# KiCad board mainboard.kicad_pcb (continued)
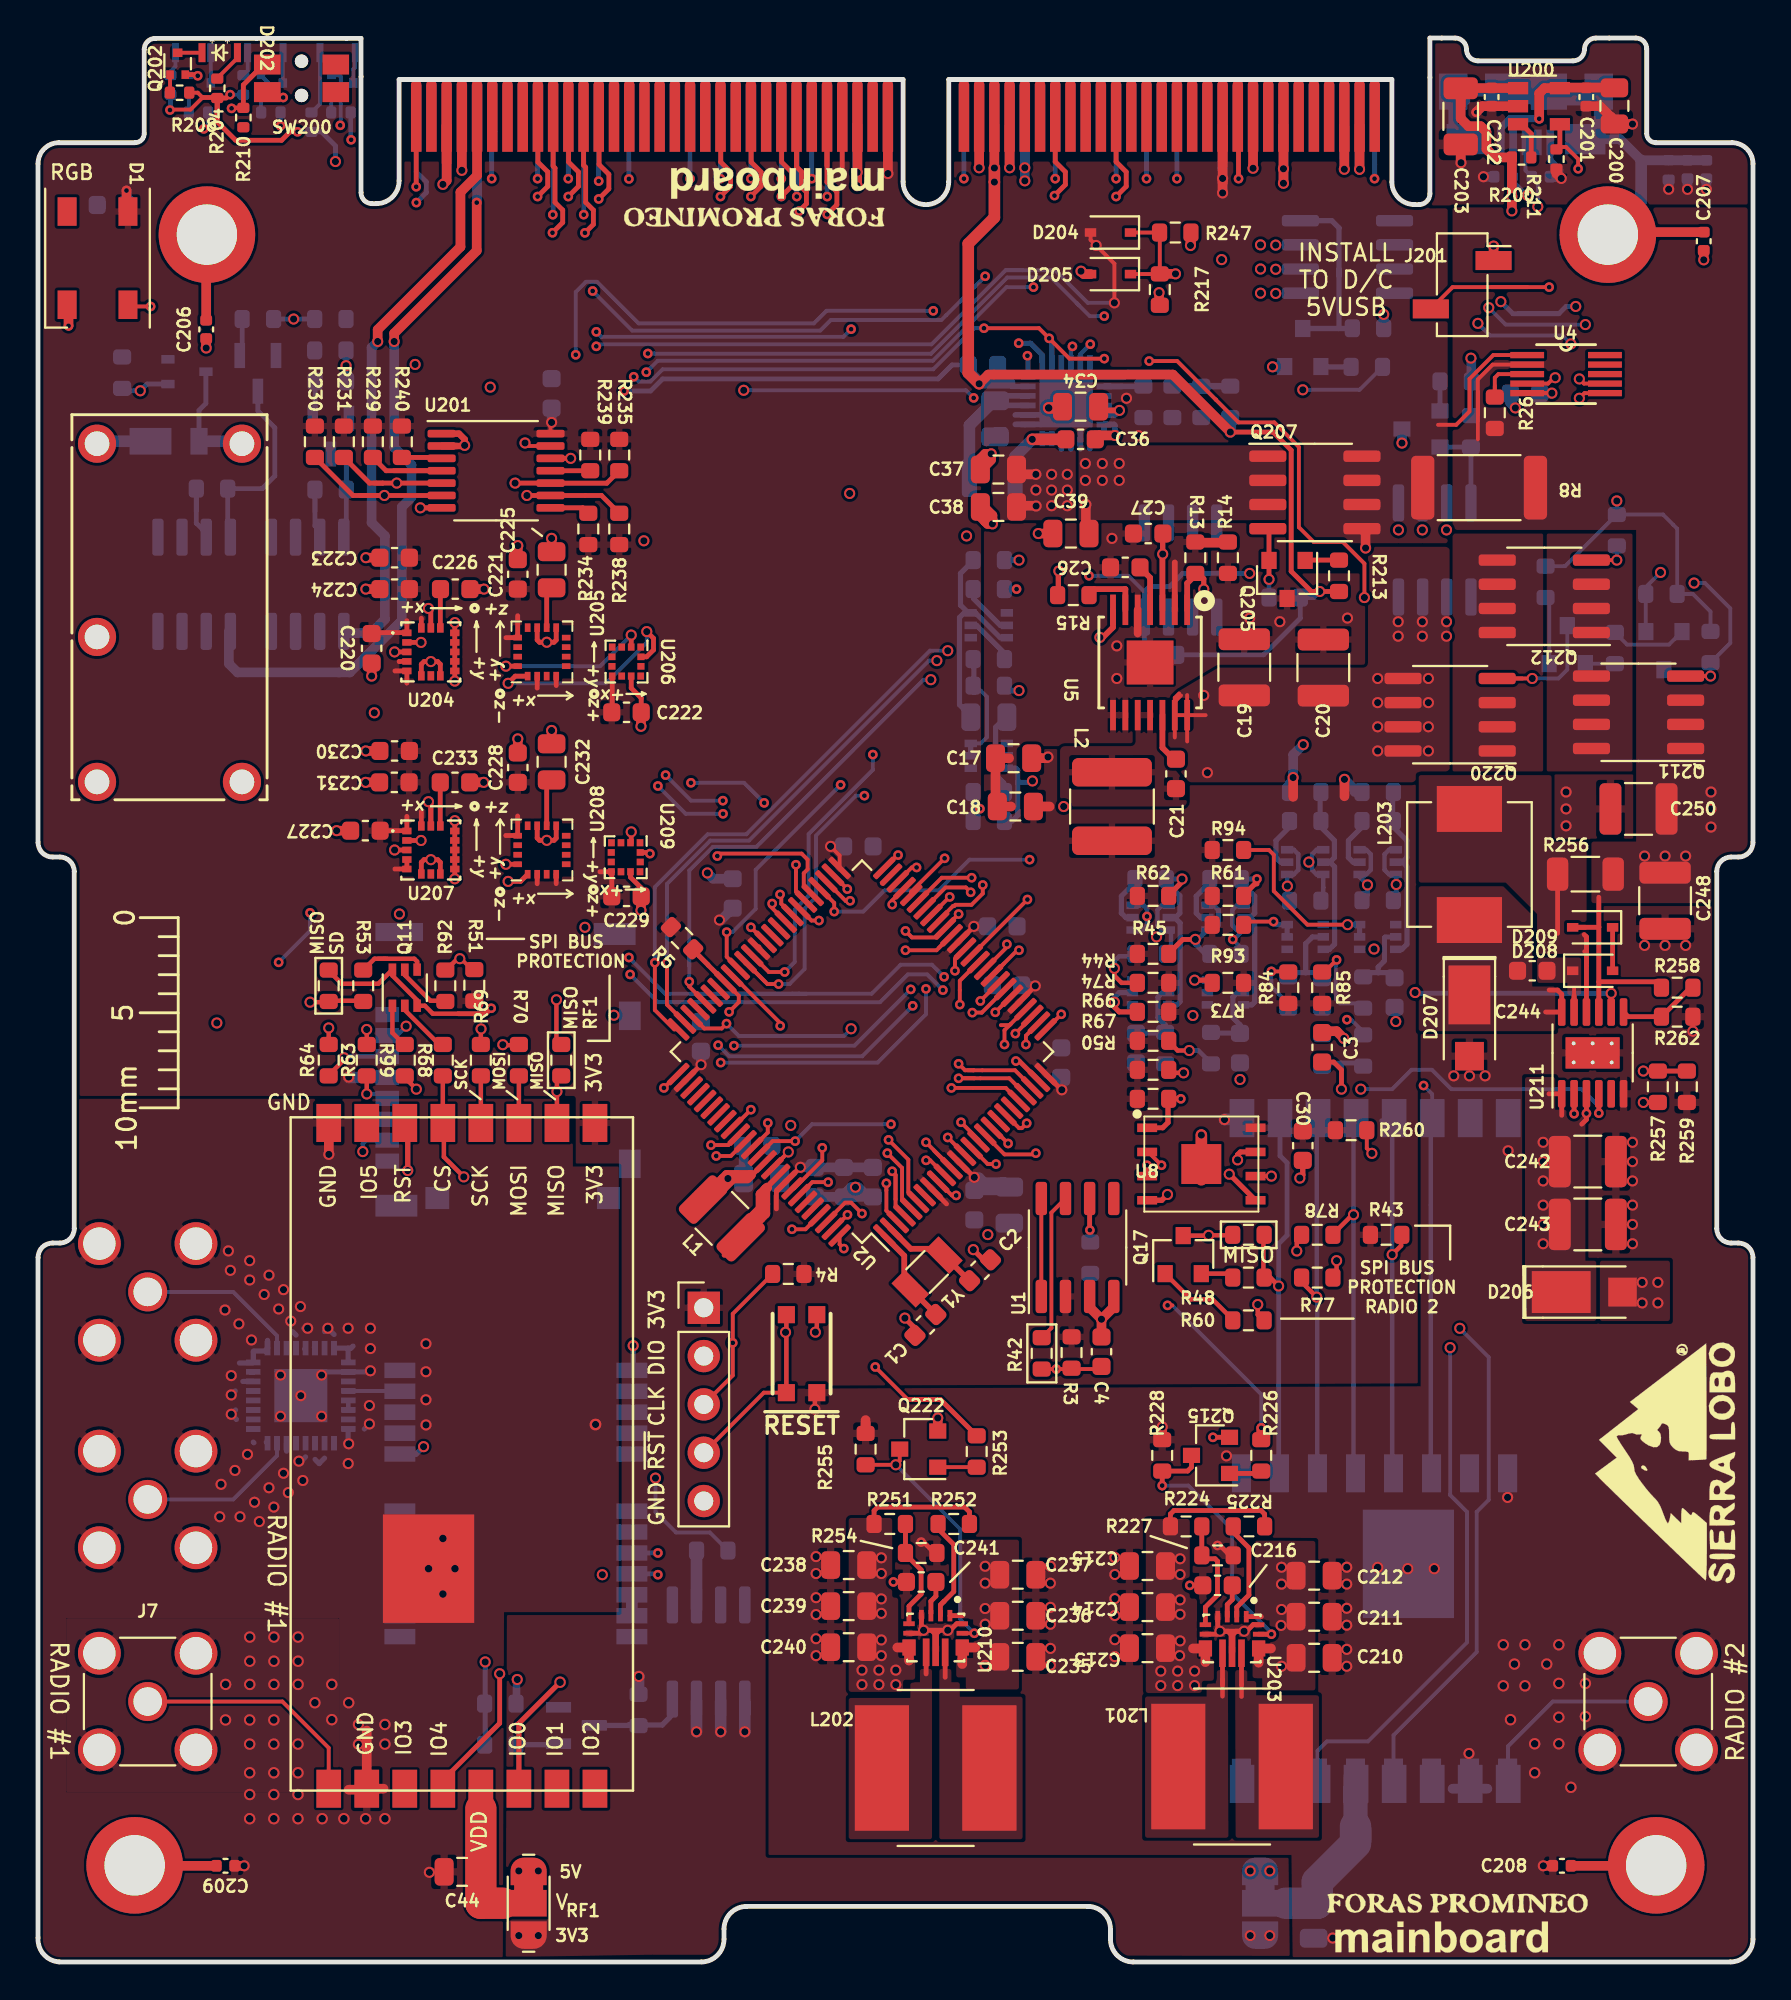
[diagram p0: board, top side]
## Routing (per net, layer and track width the routed paths; a pad name or vN(x,y) marks a point on that pad's centre or on a via; arc(x,y) is an arc through that point) (continued)
VBATT: length 122
  Top w0.203: v1(56.59,87.22) 56.59,89.28 v1(55.64,90.24) 55.34,90.53 D204.2 ; 73.61,80.81 74.56,80.81 75.26,81.51 75.26,83.22 76.52,84.48 U4.1
  Top w0.508: v1(69.8,74.33) 69.8,75.16 Q207.5 ; v1(62.28,93) v1(62.28,93.76) ; 62.28,94.44 P1.99 62.28,93.56 62.28,93.56
  In2.Cu w0.203: v1(70.25,53.25) 70.25,54.01 ; 70.25,54.01 70.25,54.65 71.94,56.34 71.94,57.85 64.39,65.39 64.39,70.47 68.25,74.33 v1(69.8,74.33) ; 70.25,54.01 70.25,50.97 v3(68.82,49.54) ; v1(55.64,90.24) 58.76,90.24 v1(62.28,93.76) ; v3(29.35,84.94) 28.96,85.33 20.41,85.33 9.37,96.37 v3(8.71,96.37)
  Bottom w0.203: v3(29.35,84.94) 29.46,85.04 46.98,85.04 50.88,88.94 51.77,88.94 ; 69.67,48.91 69.04,49.54 v3(68.82,49.54) ; 51.77,88.94 51.01,88.94 ; 51.77,88.94 53.48,88.94 55.2,87.22 v1(56.59,87.22) ; v3(8.71,96.37) 8.94,96.6 R206.2 8.94,96.58
  Bottom w0.508: 62.28,94.32 P1.99 ; 62.28,94.32 62.28,94.22 ; 62.28,94.32 62.28,94.32 ; 62.28,94.32 62.28,94.32 ; 62.28,94.32 62.28,93.56 ; v1(62.28,93) v1(62.28,93.76)
VBATT_RET: length 37.2
  Top w0.203: 60.62,90.07 60.62,90.04
  Top w0.508: 49.87,78.72 50.12,78.97 ; U200.2 76.43,97.56 C202.2 75.94,97.56 v3(75.62,97.24) ; v1(83.84,96.62) 82.89,96.62 C200.2 ; v1(65.48,93.51) v1(65.48,94.27) P1.107 ; 49.55,78.46 C37.1 49.55,79.03 49.8,79.29 v1(50.12,79.29) 50.12,79.03 ; R211.2 79.83,94.02 v1(80.09,93.76) ; 49.8,75.73 50.18,75.73 50.18,76.05 49.67,76.56 49.55,76.56 49.55,75.98 49.8,75.73 ; 49.8,75.73 49.93,75.6 v1(50.18,75.6) 50.18,75.86 C38.1 ; 49.8,75.73 49.86,75.73 ; 82.72,97 82.7,96.99 82.13,97.56 C201.2 ; C203.2 74.8,94.7 ; 60.62,90.3 R247.2 60.59,90.89 v1(60.59,90.24) ; 53.52,75.1 52.68,75.1 ; 79.96,93.92 80.03,93.85
  Top w0.61: 54.03,81.7 v2(53.14,81.7)
  In2.Cu w0.203: 63.45,92.62 65.1,94.27 v1(65.48,94.27) ; 63.45,92.62 61.07,90.24 v1(60.59,90.24) ; 63.45,92.62 63.2,92.37
  Bottom w0.272: U17.19 51.91,80.83 51.89,80.81
  Bottom w0.279: 50.32,80.56 50.83,80.56
  Bottom w0.3: 51.39,80.84 52.77,80.84 ; 51.39,81.33 52.77,81.33
  Bottom w0.338: 80.03,93.85 80.03,94.21 79.51,94.73 J200.5
  Bottom w0.508: Z201.2 76.02,93.85 ; P1.107 v1(65.48,94.27) v1(65.48,93.51) ; C205.2 v1(87.72,93.19) ; v1(80.09,93.76) 80,93.85 Z200.2 80.03,93.85 ; R201.2 v1(85.74,93.2) ; C204.2 v1(86.73,93.19)
  vias: v1(52.59,75.1) v1(74.82,94.59) v1(76,93.85)
VBUS: length 153.4
  Top w0.203: 60.1,66.59 59.77,66.26 U5.13 ; U5.14 61.39,65.55 ; U5.14 60.42,66.6 ; U5.14 U5.13 ; U5.14 60.42,64.16 ; U5.13 59.77,66.46 60,66.69 ; U5.13 59.77,64.38
  Top w0.254: U210.1 48.6,18.21 ; U203.1 64.32,18.16 ; Q215.2 v3(61.77,27.58)
  Top w0.508: 48.6,15.66 U210.12 49.27,16.53 ; 64.18,15.73 U203.12 64.83,16.48 ; Q222.2 v1(47.31,28.6)
  In2.Cu w0.203: v1(61.48,62.52) 61.48,61.57 60.66,60.74 v1(53.93,60.74) 52.89,60.74 51.58,62.06 v1(51.58,66.84) 51.58,70.71 52.47,71.6 52.47,72.81 v1(51.58,73.7) ; 49.56,60.74 49.53,60.71 v3(49.53,60.63)
  In2.Cu w0.61: 3.1,81.44 U16.1 1.64,78.36 1.64,63.5 U16.14 ; 3.1,81.44 8.48,86.82 ; 3.1,81.44 9.02,87.35 ; 9.02,87.35 14.63,87.35 17.99,83.99 v1(19.83,83.99) ; 9.02,87.35 8.48,86.82 ; 8.48,86.82 8.83,87.16
  In3.Cu w0.508: 51.6,73.72 v1(51.58,73.7)
  In4.Cu w0.203: v1(53.93,60.74) 49.64,60.74 v3(49.53,60.63)
  In4.Cu w0.61: 48.72,73.7 40.52,81.9 21.91,81.9 v1(19.83,83.99) ; 48.72,73.7 v1(51.58,73.7) ; 48.72,73.7 55.01,67.41 ; 55.01,67.41 55.83,66.59 v1(61.29,66.59) ; 55.01,67.41 55.58,66.84
  Bottom w0.272: 49.2,61.51 49.2,59.98
  Bottom w0.305: 49.2,60.96 49.53,60.64 v3(49.53,60.63) ; 50.78,66.84 v1(51.58,66.84) ; 49.2,60.46 49.36,60.46 v3(49.53,60.63) ; 50.78,73.7 v1(51.58,73.7) ; v3(49.53,60.63) 49.36,60.63 49.2,60.78 ; R29.1 R47.1
  Bottom w0.61: U16.1 3.23,79.95 D4.C
  vias: v1(49.8,20.8) v1(49.8,19.91) v1(49.8,18.58) v1(49.8,17.75) v1(49.8,15.6) v1(65.38,20.75) v1(65.38,19.86) v1(65.38,18.53) v1(65.36,17.69) v1(65.38,15.54) v1(70.44,67.48) v1(70.44,66.21) v1(70.44,64.94) v1(70.44,63.67) v1(71.52,70.46) v1(71.52,69.7) v1(72.79,70.46) v1(72.79,69.7) v1(73.1,67.48) v1(73.1,66.21) v1(73.1,64.94) v1(73.1,63.67) v1(74.06,70.46) v1(74.06,69.7)
VBUS_INHIBIT: length 18.8
  Top w0.203: U4.2 76.48,83.98 75.71,83.2 75.71,82.52 ; 75.71,82.52 75.71,81.32 ; 75.71,82.52 75.71,80.05
  Top w0.254: 82.06,51.53 82.06,54.4 ; 82.06,51.53 85.05,51.53 R258.1 ; 82.06,51.53 U211.9 ; 82.06,54.4 82.06,54.39 D209.2 81.36,54.39 ; 82.06,54.4 82.06,55.97
  vias: v1(84.47,58.14) v1(85.55,58.14) v1(86.63,58.14) v1(87.96,61.51) v1(87.96,60.62) v1(87.96,59.66)
VBUS_RESET: length 28.9
  Top w0.203: U2.54 41.86,55.68 v3(41.86,55.22)
  In2.Cu w0.203: v3(52.14,57.95) 52.14,61.03 50.7,62.47 50.7,71.42 v3(51.45,72.17) 51.45,71.98
  Bottom w0.203: v3(52.14,57.95) 48.97,57.95 47.35,56.33 44.5,56.33 43.39,55.22 v3(41.86,55.22) ; R52.2 v3(51.45,72.17)
VBUS_USB: length 3
  Top w0.508: v1(52.48,76.54) 52.47,76.56 51.67,76.56 ; v1(52.47,78.21) 51.68,78.21 51.62,78.14
  Bottom w0.279: U17.16 53.8,79.8
  Bottom w0.3: U17.16 53.8,79.54 ; U17.15 54.3,79.54
  vias: v1(52.47,77.38) v1(53.29,78.21) v1(53.29,77.38) v1(53.29,76.56) v1(54.12,78.21) v1(54.12,77.38) v1(54.12,76.56) v1(71.53,75.29) v1(72.79,75.29) v1(74.06,75.29)
VCC_MHX: length 13.6
  Top w0.254: 64.49,22.59 64.49,23.55 64.3,23.74 59.73,23.74 59.54,23.55 59.54,22.59
  Top w0.508: 60.73,16.48 U203.7 61.38,15.76
  Bottom w0.508: 51.88,93.75 v1(51.88,94.32) 51.88,94.64 ; 51.88,94.41 P1.73 51.88,94.64 ; 51.88,94.64 51.88,94.43
  vias: v1(25.28,4.79) v1(26.3,4.79) v1(51.88,93.64) v1(59.03,15.29) v1(59.03,14.53) v1(59.92,15.29) v1(59.92,14.53) v1(60.05,21.2) v1(60.05,20.37) v1(60.05,19.04) v1(60.05,18.28) v1(60.05,16.88) v1(60.02,16.1) v1(60.81,15.29) v1(60.81,14.53) v1(63.74,4.79) v1(64.76,4.79)
VCC_PAYLOAD: length 14.7
  Top w0.254: 43.96,22.77 43.96,23.72 44.15,23.91 48.72,23.91 48.97,23.66 48.97,22.77
  Top w0.508: 45.18,16.53 U210.7 45.8,15.85 ; P1.59 43.08,94.1 v1(43.07,94.08) v1(43.07,93.38)
  Bottom w0.508: v1(43.07,93.38) 43.07,96.55 P1.59
  vias: v1(43.32,15.34) v1(43.32,14.58) v1(44.21,15.34) v1(44.21,14.58) v1(44.34,21.25) v1(44.34,20.42) v1(44.34,19.09) v1(44.34,18.33) v1(44.34,16.93) v1(44.34,16.1) v1(45.1,15.34) v1(45.1,14.58)
VCC_RF1: length 8.5
  Top w1.27: 25.79,3.09 24.44,3.09 ; U23.5 23.28,8.04
  Top w1.651: 24.44,3.09 23.28,3.09 23.28,8.04
VCC_RF2: length 11.7
  Bottom w1.27: 69.27,6.41 69.27,6.22 ; 69.27,8.42 69.27,9.11 69.27,7.13 ; U15.13 69.27,8.95 ; 69.48,6.41 69.48,6.91 ; JP7.2 65.6,3.09
  Bottom w1.651: 65.6,3.09 67.26,3.09 67.27,3.1 ; 69.27,6.41 69.27,7.13 ; 69.27,6.22 67.26,4.21 67.26,3.15
/Avionics/BATTERY: length 38.5
  Top w0.203: v3(51.98,44.09) 51.73,43.84 51.58,43.84 U2.19
  Top w0.254: 68.53,45.76 68.53,46.9 68.12,47.31 C3.1
  In2.Cu w0.203: v1(68.53,45.89) 68.53,37.88 68.98,37.44 68.98,36.68 68.53,36.23 60.28,36.23 57.04,39.47 ; 56.78,39.73 57.04,39.47 ; 57.04,39.47 52.42,44.09 v3(51.98,44.09)
  Bottom w0.254: 68.51,47.26 69.67,47.26 69.67,47.26 ; 68.51,47.26 68.53,47.24 68.53,46.39 ; 68.51,47.26 67.52,47.26 ; 68.53,46.96 68.53,46.39 ; 68.53,46.39 68.53,45.76
  Bottom w0.279: 69.67,47.28 69.51,47.11
/Avionics/XTAL1: length 5.8
  Top w0.254: 45.55,35.71 Y1.1
  Top w0.3: 47.21,34.05 45.87,35.39 Y1.1 45.55,35.71 45.55,37.13 44.44,38.24
/Avionics/XTAL2: length 5.3
  Top w0.3: 48.97,35.81 47.63,37.15 Y1.2 47.3,37.49 45.89,37.49 44.79,38.59
/Burn Wires/VBURN_A_IN: length 7.2
  Bottom w0.254: 8.32,76.28 R37.2 8.32,75.64 8.77,75.2 ; 14.56,76.26 R38.2 14.56,75.5 14.96,75.1
/IMU/SCL_IMU1: length 38.1
  Top w0.254: v1(18.21,77.1) 16.94,77.1 ; v1(18.21,77.1) U201.6 ; v1(18.21,77.1) 16.56,77.1 R230.2 ; U206.12 32,68.61 32.36,68.98 32.36,69.58 v1(32.01,69.94) ; v1(24.72,67.22) 25.09,67.6 U205.1 ; 19.39,69.37 v1(20.14,69.37)
  In2.Cu w0.203: v1(24.72,67.22) 22.57,69.37 v1(20.14,69.37) 18.94,68.17 18.37,68.17 18.21,68.33 v1(18.21,77.1)
  Bottom w0.203: v1(32.01,69.94) 32.01,69.37 29.86,67.22 v1(24.72,67.22)
/IMU/SCL_IMU2: length 58.3
  Top w0.254: U208.1 25.37,56.81 v1(24.72,56.81) ; v3(32.17,58.27) 32.11,58.33 31.7,58.33 ; v1(20.14,58.96) 19.39,58.96 ; v1(25.08,77.75) U201.10 26.95,77.74 29.9,77.74 R235.2
  In2.Cu w0.203: v3(32.17,58.27) 30.71,56.81 v1(24.72,56.81) 22.57,58.96 v1(20.14,58.96) 18.11,56.93 16.08,56.93 14.94,58.08 14.94,76.24 17.86,79.16 20.53,79.16 21.94,77.75 v1(25.08,77.75)
/IMU/SDA_IMU1: length 31.2
  Top w0.254: 18.13,77.75 17.68,77.75 ; 18.13,77.75 v1(18.86,77.75) U201.5 ; 18.13,77.75 17.43,77.75 R231.2 ; U205.16 v1(24.6,68.12) ; U206.2 v1(31.19,69.76) ; 19.39,68.87 v1(18.75,68.87)
  In2.Cu w0.203: v1(18.86,77.75) 18.75,77.64 v1(18.75,68.87) 19.77,69.89 22.83,69.89 v1(24.6,68.12)
  Bottom w0.203: v1(24.6,68.12) 29.55,68.12 v1(31.19,69.76)
/IMU/SDA_IMU2: length 54.2
  Top w0.254: v1(24.6,57.71) U208.16 ; v1(25.7,77.1) U201.9 29.62,77.1 R238.2 ; v1(18.75,58.46) 19.39,58.46 ; 31.19,58.84 31.19,59.34
  In2.Cu w0.203: v1(24.6,57.71) 23.02,59.29 ; v1(24.6,57.71) 29.49,57.71 v1(31.19,59.41) ; v1(24.6,57.71) 22.83,59.48 19.77,59.48 v1(18.75,58.46) 17.48,58.46 16.46,59.47 16.46,76.75 18.37,78.65 20.02,78.65 21.57,77.1 v1(25.7,77.1)
/RF and GPS/RF2_ANT: length 10.6
  Bottom w0.203: 77.29,9.06 77.29,11.34 79.64,13.69 J12.1
/RF and GPS/RF_IN: length 2.7
  Bottom w0.203: U13.4 19.01,30.02
  Bottom w0.293: 19.01,30.02 U14.11
/SLI_Card/Blank-Card-Default/YEL_LED: length 0.8
  In2.Cu w0.203: v3(12.75,96.53) 12.75,96.39
  Bottom w0.203: v3(12.75,96.53) R207.2
/SLI_Card/CHS: length 51.3
  Top w0.508: C209.2 5.11,5.05 H203.1 ; H202.1 85.05,5.05 C208.2 ; C206.2 8.84,90.77 H200.1 8.85,90.84 ; H201.1 82.67,90.94 C207.2
  Bottom w0.508: J200.6 82.06,97.9 82.42,97.54 82.42,96.89 J200.6 ; J200.6 J200.6 ; J200.6 82.06,96.53 J200.6 ; J200.6 83.18,95.83 84.29,94.72 R201.1 87.71,94.72 C205.1 ; J200.6 81.46,95.73 ; 77.66,97.92 78.68,97.92 ; 78.68,98.81 77.79,98.81 ; J200.6 74.41,96.53 J200.6 75.11,96.47 ; J200.6 74.58,98.33 75.06,97.85 ; 80.33,97.85 81.34,97.85 ; J200.6 76.49,98.33
  Bottom w0.61: 84.29,94.72 84.29,92.56 H201.1
/SLI_Card/H1-38: length 0
  Top w0.254: 55.09,96.56 P1.82
/SLI_Card/H1-42: length 0
  Top w0.254: 58.3,96.55 P1.90
/SLI_Card/Payload_Regulator/EN: length 14.1
  Top w0.203: Q222.3 45.31,26.34 v1(45.1,26.14) 43.51,26.14 ; 48.6,17.28 v3(49.23,17.28)
  Bottom w0.203: 48.49,18.69 48.49,18.25 ; 48.49,18.69 48.49,18.02 v3(49.23,17.28) ; 48.49,18.69 48.49,22.75 v1(45.1,26.14)
/SLI_Card/RBF: length 83.5
  In2.Cu w0.203: v3(49.19,82.23) 50.7,80.72 50.7,75.33 53.42,72.61 54.99,72.61 v3(55.26,72.87) ; v1(37.1,82.63) 37.1,87.23 34.28,90.05 v3(34.28,93.75) 34.28,91.19 ; v1(85.31,73.05) 79.72,73.05 76.72,76.05 66.75,76.05 v1(63.71,73)
  Bottom w0.203: 85.39,73.05 v1(85.31,73.05) 84.53,72.28 R249.2 84.53,69.94 Q221.1 ; 49.09,82.33 v3(49.19,82.23) 48.79,82.63 v1(37.1,82.63) ; v3(55.26,72.87) 57.33,72.87 58.17,72.03
  Bottom w0.254: v3(34.28,93.75) 34.28,96.55 ; R214.2 58.17,68.77 Q206.4 58.17,72.03 58.44,72.3 59.49,72.3 60.19,73 v1(63.71,73)
/SLI_Card/RF_Regulator/EN: length 14.9
  Top w0.254: 59.11,24.92 v3(59.11,25.04) R228.1 60.44,25.81 60.65,26.01 Q215.3 ; 64.91,17.23 U203.14
  Bottom w0.203: v3(64.85,17.23) 64.85,17.31 62.79,19.37 62.79,22.74 60.48,25.04 v3(59.11,25.04)
/SLI_Card/SEP1: length 67.1
  In2.Cu w0.203: v1(66.5,82.65) 62.78,82.65 57.44,87.99 55.51,87.99 ; v3(19.89,92.49) 19.89,90.84 23.7,87.03 29.8,87.03 31.57,85.26 31.57,83.99 v3(31.98,83.58) ; v3(52.34,88.05) 52.4,87.99 55.51,87.99 ; 55.51,87.99 53.67,87.99
  Bottom w0.203: v1(66.5,82.65) 69.48,82.65 R212.2 ; v3(31.98,83.58) 32.58,84.18 47.05,84.18 50.92,88.05 v3(52.34,88.05)
  Bottom w0.254: P1.1 19.88,94.12 20.42,93.58 20.42,93.02 v3(19.89,92.49)
/SLI_Card/SEP2: length 97.1
  Top w0.203: v1(69.74,71.73) 69.74,73.52 68.61,74.65 67.07,74.65 66.3,75.43 66.3,79.64 65,80.94 63.12,80.94 61.92,82.14 ; 61.92,82.14 59.9,84.16 v3(58.42,84.16) ; 61.92,82.14 61.93,82.14 ; Q211.4 v1(87.94,67.6)
  Top w0.254: P1.2 v3(19.88,93.33)
  In2.Cu w0.203: v3(32.06,84.56) 32.06,85.49 30.19,87.36 23.88,87.36 20.59,90.65 20.59,92.62 v3(19.88,93.33) ; v3(58.42,84.16) v3(56.06,86.53) ; v1(69.74,71.73) 71.64,73.63 78.06,73.63 79.2,72.49 v1(87.07,72.49)
  Bottom w0.203: v1(87.94,67.6) 87.94,68.3 88.98,69.34 88.98,71.16 87.65,72.49 v1(87.07,72.49) ; 54.61,87.21 54.74,87.08 ; 54.61,87.21 53.27,88.56 50.96,88.56 46.95,84.54 32.44,84.54 32.42,84.56 v3(32.06,84.56) ; 54.61,87.21 55.3,86.53 v3(56.06,86.53)
/SLI_Card/SEP3: length 47.7
  Top w0.203: 83.16,73.7 v1(83.01,73.7) Q212.4
  In2.Cu w0.203: v1(83.01,73.7) 86.63,73.7 87.52,74.59 87.52,84.86 86.3,86.08 v1(81.36,86.08) ; v1(76.28,86.97) 76.28,88.05 74.44,89.89 71.14,89.89 ; 70.28,90.74 71.14,89.89 ; 71.14,89.89 70.27,90.75 v3(70.27,93.75)
  Bottom w0.203: R221.2 v1(83.01,73.7) ; v1(81.36,86.08) 77.17,86.08 v1(76.28,86.97)
  Bottom w0.254: v3(70.27,93.75) 70.27,96.55 ; 70.28,94.5 70.28,94.25 ; 70.28,94.5 70.28,93.87 ; 70.28,94.5 P1.119
/SLI_Card/Sep_Sw_Vcc: length 66.7
  Top w0.203: D204.1 R247.1 58.98,90.91 58.98,88.75 58.97,88.73 D205.1
  Top w0.508: 58.98,88.75 v1(59.81,88.75)
  In2.Cu w0.203: v1(75.71,86.14) 74.44,86.14 73.61,85.32 70.06,85.32 69.58,84.84 ; 61.77,84.97 59.81,86.93 v1(59.81,88.75) ; 61.77,84.97 62.88,83.86 v1(64.91,83.86) 68.6,83.86 69.58,84.84 ; 61.77,84.97 62.12,84.62 ; v1(80.6,85.06) 86.5,85.06 87.02,84.54 87.02,77.58 86.25,76.81 v1(83.01,76.81) ; 69.58,84.84 69.36,84.62
  Bottom w0.203: 83.01,76.94 v1(83.01,76.81) R221.1 ; v1(75.71,86.14) 76.34,85.51 80.15,85.51 v1(80.6,85.06) ; R248.1 80.29,73.38 R221.1 ; R221.1 85.44,76.1 86.18,75.35 R249.1 87.01,71.92 87.94,70.99 R220.1 87.91,69.92
  Bottom w0.254: 65.55,83.88 Q204.2
  Bottom w0.508: 65.66,83.86 v1(64.91,83.86)
/SLI_Card/~{USB_EN}: length 18.5
  Top w0.203: 78.31,88.05 v3(79.45,88.05) ; 78.31,88.05 76.41,88.05 ; 78.31,88.05 74.37,88.05 J201.2 ; v3(80.98,94.27) 80.98,94.78 80.34,95.42 79.96,95.42
  Top w0.254: 79.96,95.42 80.02,95.47 U200.4
  In2.Cu w0.203: v3(80.98,94.27) 80.98,93.89 79.45,92.37 v3(79.45,88.05)
/SLI_Card/~{USB_FLAG}: length 2.2
  Top w0.203: R200.2 78.51,94.84
  Top w0.254: R200.2 78.51,96.11 78.01,96.61 U200.3
BATT_NTC: length 151.1
  Top w0.272: 82.71,50.99 v1(82.71,50.92) U211.8
  In2.Cu w0.203: 53.23,88.62 53.42,88.62 ; 53.23,88.62 53.74,88.62 53.99,88.37 57.56,88.37 62.64,83.29 68.72,83.29 70.31,84.87 76.09,84.87 76.91,85.7 v1(76.91,87.29) ; 53.23,88.62 v3(49.8,88.62) ; v1(72.41,50.97) 72.41,55.73 72.53,55.85 ; v3(23.85,93.75) 23.85,89.17 25.17,87.85 v3(29.16,87.85)
  In2.Cu w0.254: v1(80.85,87.03) 86.88,87.03 88.34,85.57 88.34,72.56 87.71,71.92 78.82,71.92 77.8,72.94 72.09,72.94 66.56,67.41 66.56,65.32 72.72,59.16 72.72,56.05 72.53,55.85
  Bottom w0.203: v3(49.8,88.62) 47.5,86.32 41.68,86.32 41.13,85.76 31.24,85.76 v3(29.16,87.85)
  Bottom w0.254: v3(23.85,93.75) 23.85,96.55 ; 79.96,86.65 77.55,86.65 v1(76.91,87.29) ; 79.96,86.65 77.8,86.65 ; 79.96,86.65 80.34,87.03 v1(80.85,87.03) ; v1(82.71,50.92) 72.51,50.92
  Bottom w0.508: P1.11 23.88,96.25 23.89,96.24
BP_LED_LATCH: length 61.4
  Top w0.203: U2.37 49.09,52.93 v3(52.02,55.85)
  Top w0.254: v3(63.12,93.75) 63.12,96.55
  In2.Cu w0.203: 46.12,85.45 46.12,86.84 50.24,90.97 58.05,90.97 61.48,94.4 62.47,94.4 v3(63.12,93.75) ; 46.12,85.45 46.12,86.02 ; 46.12,85.45 46.12,66.59 51.65,61.05 51.65,56.22 v3(52.02,55.85)
BURN_RELAY_A: length 84.8
  Top w0.203: v3(37.48,44.81) 36.52,43.85 U2.84
  In2.Cu w0.203: 36.11,42.12 33.84,39.85 21.99,39.85 19.51,42.33 18.87,42.33 17.54,41 13.6,41 12.14,42.46 12.14,81.83 11.37,82.6 v1(5.37,82.6) 8.89,82.6 ; 36.11,42.12 36.46,42.47 ; 36.11,42.12 37.48,43.49 v3(37.48,44.81)
  Bottom w0.254: R25.1 4.55,82.6 v1(5.37,82.6) 5.73,82.95 Q6.1
CTS_MCU_3: length 52.6
  Top w0.203: U2.45 47.52,57 v3(49.09,57)
  Top w0.254: P1.78 53.48,94.64 54.02,94.11 54.02,93.43 v3(53.44,92.86)
  In2.Cu w0.203: v3(53.44,92.86) 53.2,92.62 48.91,92.62 47.32,91.03 ; 47.32,91.03 43.83,87.54 43.83,66.27 48.4,61.7 48.4,60.43 49.09,59.74 v3(49.09,57) ; 47.32,91.03 46.94,90.65
CTS_MCU_4: length 47.4
  Top w0.203: U2.59 38.5,55.51
  In2.Cu w0.203: 36.6,61.14 36.38,61.36 36.38,80.45 35.68,81.15 35.68,87.25 30.9,92.03 29.24,92.03 29,92.27 29,93.14 v3(29.48,93.62) ; 36.6,61.14 37.52,60.22 37.52,57.93 38.5,56.95 38.5,56.93 ; 36.6,61.14 36.5,61.24 ; 38.5,56.93 38.5,56.81 ; 38.5,56.93 38.5,55.74 v3(38.6,55.64)
  Bottom w0.254: v3(29.48,93.62) 29.48,96.42 ; 29.48,96.56 P1.25
EN_PAYLOAD: length 31.2
  Top w0.203: U2.67 36.52,51.86 39.02,49.36 v3(39.02,49.21) ; 46.5,29.57 45.74,29.57 v3(44.02,31.28)
  Top w0.254: 45.8,29.57 47.45,29.57 R253.2
  In2.Cu w0.203: v3(44.02,31.28) 44.02,40.97 41.06,43.94 41.06,47.18 v3(39.02,49.21)
EN_RF: length 22.9
  Top w0.203: v3(51.01,43.03) 50.18,43.85 U2.17 ; 59.64,34.52 v3(59.39,34.52)
  Top w0.508: v3(64.32,28.08) R226.2
  In2.Cu w0.203: v3(59.39,34.52) 58.5,34.52 51.01,42.01 v3(51.01,43.03)
  Bottom w0.203: v3(64.32,28.08) 64.32,29.84 59.64,34.52
ENAB_BURN1: length 75.6
  Top w0.203: U2.85 36.29,42.94 v3(35.38,42.94)
  In2.Cu w0.203: v1(13.44,86.37) 13.44,55.38 ; 13.44,55.38 13.44,42.75 14.43,41.76 17.07,41.76 18.43,43.12 19.81,43.12 21.13,41.79 ; 13.44,55.38 13.44,54.11 13.44,54.11 ; 21.13,41.79 21.54,41.38 ; 21.13,41.79 20.78,42.14 ; 21.54,41.38 22.18,40.74 33.18,40.74 v3(35.38,42.94) ; 21.54,41.38 20.42,42.5
  Bottom w0.254: R32.2 v1(13.44,86.37) R27.1
ENAB_BURN2: length 73.9
  Top w0.203: v3(35.66,42.37) 36.43,42.37 U2.86
  In2.Cu w0.203: 20.68,41.78 20.29,42.17 ; 20.68,41.78 19.67,42.79 18.61,42.79 17.2,41.38 13.92,41.38 12.65,42.65 v3(12.65,52.55) ; 20.68,41.78 22.19,40.26 33.55,40.26 v3(35.66,42.37) ; v3(14.3,55.16) 14.3,82.03 v1(16.19,83.92) ; 18.08,42.17 17.29,41.38
  Bottom w0.203: v3(12.65,52.55) 14.3,54.2 v3(14.3,55.16)
  Bottom w0.254: R28.1 v1(16.19,83.92) 16.19,83.12 R33.2
ENAB_GPS: length 44.8
  Top w0.203: v3(43.32,39.34) 42.75,39.92 42.43,39.92 41.44,38.92 U2.98
  In2.Cu w0.203: v1(23.51,15.77) 23.8,16.06 28.19,16.06 ; 28.19,16.06 29.12,16.06 ; 28.19,16.06 29.31,16.06 33.99,20.74 37.35,20.74 43.32,26.71 v3(43.32,39.34)
  Bottom w0.272: 23.46,11.42 23.51,11.47 v1(23.51,15.77)
FLASH_CS: length 17.3
  Top w0.203: v3(49.55,50.52) 50.51,51.48 U2.33
  Top w0.254: U8.1 59.13,43.85 ; R50.1 v3(60.09,45.38)
  Top w0.272: 59.41,45.12 59.41,44.13 59.13,43.85
  In2.Cu w0.203: v3(49.55,50.52) 50.02,51 51.99,51 52.53,50.46 53.86,50.46 58.94,45.38 v3(60.09,45.38)
FLASH_IO2: length 12.6
  Top w0.203: v3(51.39,48.81) 52.28,49.7 U2.28 ; U8.3 58.32,41.88 v3(58.31,41.88)
  Top w0.272: 57.93,41.31 U8.3
  In2.Cu w0.203: v3(51.39,48.81) 51.39,48.11 51.83,47.66 52.79,47.66 58.31,42.14 v3(58.31,41.88)
FLASH_IO3: length 26.9
  Top w0.203: 51.14,49.31 50.82,48.98 v3(50.82,48.23) ; 51.14,49.31 U2.29 ; 51.14,49.31 51.08,49.25 50.62,49.25
  Top w0.272: v1(63.07,42.17) 63.07,42.43 63.22,42.58 U8.7
  In2.Cu w0.203: v3(50.82,48.23) 50.82,49.06 51.26,49.5 52.28,49.5 61.41,40.37 64.65,40.37 65.42,41.15 65.42,41.69 64.95,42.17 v1(63.07,42.17)
FLASH_MISO: length 15.3
  Top w0.203: U8.2 58.37,42.58 v3(59.07,41.88) ; v3(51.94,48.23) 51.94,48.7 U2.27
  Top w0.279: 58.62,42.58 U8.2
  In2.Cu w0.203: v3(51.94,48.23) 52.72,48.23 v3(59.07,41.88) 57.1,43.85
FLASH_MOSI: length 15.4
  Top w0.203: U2.26 53.01,49.03 v3(53.8,49.82)
  Top w0.272: v1(62.64,41.41) 62.65,41.41 U8.5
  In2.Cu w0.203: v3(53.8,49.82) 62.21,41.41 v1(62.64,41.41)
FLASH_SCK: length 23.5
  Top w0.203: v3(49.12,49.91) 49.62,49.91 U2.32 ; U8.6 v1(64.85,41.31)
  In2.Cu w0.203: v1(64.85,41.31) 64.24,40.7 61.71,40.7 51.75,50.67 50.39,50.67 49.63,49.91 v3(49.12,49.91)
GPS_PWR_IN: length 4.3
  Bottom w0.61: U14.23 U14.22 ; 34.62,21.76 34.62,18.55
MISO: length 113.6
  Top w0.203: U2.48 45.94,57.54 v3(46.19,57.54)
  Top w0.235: v1(27.26,50.58) 27.26,50.58 27.26,48.2 ; 22.1,49.85 20.76,49.85 20.34,50.27 Q11.3 19.93,50.55 18.63,51.85 Q11.6 17.89,51.43 15.96,51.43 15.28,52.11 ; Q17.3 61.53,38.19 v1(61.55,38.2) 62.83,38.2 62.85,38.23
  Top w0.254: 39.1,96.56 39.1,94.62 39.61,94.11 39.61,93.34 v3(39.08,92.81) ; v3(23.83,50.14) 23.54,49.85 22.1,49.85
  In2.Cu w0.203: 31.96,50.58 31.83,50.58 ; 31.83,50.58 34.18,50.58 v3(36.59,48.17) ; 31.83,50.58 v1(27.26,50.58) ; v3(23.83,50.14) 24.27,50.58 v1(27.26,50.58) ; 39.08,92.19 39.08,91.64 ; 39.08,92.19 v3(39.08,92.81) ; 39.08,92.19 39.08,89.56 39.7,88.94 39.7,62.93 45.09,57.54 v3(46.19,57.54) 46.56,57.17 46.56,51.8 v3(45.89,51.13) 50.75,46.27 ; v1(61.55,38.2) 59.41,38.2 51.85,45.76 51.26,45.76 50.75,46.27 ; 27.22,50.54 v1(27.26,50.58) ; 50.75,46.27 50.94,46.08 ; v3(39.08,92.81) 39.12,92.77 ; v3(39.08,92.81) 39.16,92.74 ; v3(39.08,92.81) 39.19,92.7
  Bottom w0.203: v3(45.89,51.13) 42.93,48.17 v3(36.59,48.17)
MISO_RF1: length 11
  Top w0.235: v1(19.89,45.89) 19.28,46.49 19.28,46.62 ; U23.10 v1(27.28,45.76) 27.28,46.39 27.51,46.62
  In2.Cu w0.203: v1(27.28,45.76) 20.02,45.76 v1(19.89,45.89)
MISO_RF2: length 22.3
  Top w0.235: 64.43,38.23 64.43,35.98 R48.2
  Top w0.254: v1(65.23,35.53) 64.79,35.98 R48.2
  Bottom w0.254: U24.10 65.3,42.38 65.67,42.01 65.67,38.2 65.23,37.76 v1(65.23,35.53) 65.23,25.73 U15.2
MISO_SD: length 13.8
  Top w0.235: v1(14.3,50.46) 15.21,50.46 15.28,50.53 17.28,50.53
  In2.Cu w0.203: v1(17.08,42.6) 14.3,45.38 v1(14.3,50.46)
  Bottom w0.235: v1(17.08,42.6) 17.08,43.02 17.26,43.2 J1.7
MOSI: length 119.8
  Top w0.203: v3(47.67,58.02) 45.91,56.27 U2.46
  Top w0.235: v1(24.44,48.22) 24.46,48.2 25.28,48.2 ; 68.05,35.98 68.28,36.21 v1(68.28,36.87) ; v1(15.28,49.1) 15.28,49.1 15.28,48.2
  In2.Cu w0.203: 64.77,39.29 65.85,39.29 v1(68.28,36.87) ; 64.77,39.29 61.92,39.29 ; 64.77,39.29 58.8,39.29 51.89,46.2 51.39,46.2 46.76,50.84 46.76,51.09 v3(46.69,51.16) 46.98,51.45 46.98,57.34 v3(47.67,58.02) 41.04,64.65 41.04,89.83 40.68,90.18 v3(40.68,93.75) ; v1(15.28,49.1) 16.1,49.1 17.8,47.41 23.62,47.41 v1(24.44,48.22) 34.83,48.22 35.77,47.28 v3(35.89,47.28)
  Bottom w0.203: v3(35.89,47.28) 44.15,47.28 46.69,49.82 v3(46.69,51.16)
  Bottom w0.254: v3(40.68,93.75) 40.68,96.55
  Bottom w0.272: 40.66,96.53 P1.53
MOSI_RF1: length 2.5
  Top w0.235: 25.28,46.62 U23.11
MOSI_RF2: length 19.4
  Top w0.235: v1(67.23,34.95) 66.47,35.71 66.47,35.98
  Bottom w0.235: 67.27,43.57 67.23,43.54 v1(67.23,34.95) 67.26,34.92 67.26,25.57 ; 66.92,44.11 66.88,44.07
MOSI_SD: length 3.6
  Top w0.235: v1(16.08,47.54) 16.08,47.42 15.28,46.62
  Bottom w0.235: J1.3 16.15,47.6 v1(16.08,47.54)
PA19: length 52
  Top w0.203: U2.55 40.26,56.57 40.26,57.24 40.46,57.44 40.46,57.95 40.15,58.27 35.84,58.27 v3(35.72,58.14)
  Top w0.254: 27.9,96.56 27.9,94.62 28.41,94.11 28.41,93.34 v3(27.88,92.81)
  In2.Cu w0.203: 34.83,59.03 35.26,58.59 ; 35.26,58.59 34.81,59.04 34.81,79.86 34.72,79.95 ; 35.26,58.59 v3(35.72,58.14) ; 34.72,79.95 34.83,79.84 ; 34.72,79.95 34.62,80.05 34.62,86.65 31.3,89.98 28.25,89.98 27.88,90.35 v3(27.88,92.81)
  In2.Cu w0.254: v3(27.88,92.81) 27.97,92.72
  In4.Cu w0.203: v3(27.88,92.81) 28.01,92.68
PB16: length 52.1
  Top w0.203: 37.55,52.86 U2.64 38.42,52.04 v3(39.26,52.04)
  In2.Cu w0.203: v3(41.49,92.81) 41.98,92.33 41.98,91.49 ; 41.98,91.49 41.98,65.39 v3(43.89,63.47) ; 41.98,91.49 41.98,91.21
  Bottom w0.203: v3(39.26,52.04) 39.79,52.57 39.79,55.33 40.52,56.05 40.52,59.29 43.89,62.67 v3(43.89,63.47)
  Bottom w0.254: 41.5,96.56 41.5,94.47 41.5,94.67 ; v3(41.49,92.81) 41.48,92.82 P1.55
PB17: length 57.2
  Top w0.203: U2.65 38.35,51.41 v3(38.94,51.41) ; U2.65 38.23,51.54 ; U2.65 37.2,52.49 ; 39.88,94.83 39.88,94.34 40.13,94.1 40.13,93.29 40.38,93.04
  Top w0.254: 39.88,94.47 P1.52 39.88,94.38 40.14,94.12 40.14,93.32 40.4,93.06 40.4,92.43 v3(40.02,92.05)
  In2.Cu w0.203: v3(43.45,61.32) 40.59,64.17 40.59,89.57 40.02,90.14 v3(40.02,92.05)
  Bottom w0.203: v3(38.94,51.41) 39.51,51.41 40.31,52.2 40.31,55.38 40.91,55.98 40.91,59.22 43,61.32 v3(43.45,61.32)
PB18: length 56.1
  Top w0.203: v3(36.21,54.14) 36.21,52.84 U2.66 36.37,52.68
  In2.Cu w0.203: v3(42.2,61.88) 40.15,63.94 40.15,89.26 39.54,89.87 39.54,92.46 v3(39.89,92.81)
  Bottom w0.203: v3(36.21,54.14) 36.51,54.14 37.73,55.36 37.73,57.42 v3(42.2,61.88) ; 39.9,94.47 39.9,92.82 v3(39.89,92.81)
  Bottom w0.254: 39.9,96.56 39.9,94.47 39.9,94.67 ; 39.9,93.64 39.9,96.55 P1.51 39.88,92.82 v3(39.89,92.81)
PC00: length 69.4
  Top w0.203: U2.3 44.6,39.5 v3(44.6,40.93)
  In2.Cu w0.203: v3(44.6,40.93) 41.55,43.99 41.55,47.59 39.45,49.7 38.37,49.7 35.26,52.81 ; v3(27.07,91.86) 26.56,91.35 26.56,90.34 ; 26.56,90.34 26.56,89.85 ; 26.56,90.34 26.56,89.57 27.14,88.99 30.51,88.99 33.48,86.02 33.48,61.38 33.71,61.15 33.71,54.36 35.26,52.81 ; 35.26,52.81 34.88,53.19
  Bottom w0.254: P1.19 27.08,94.47 ; 27.08,94.47 27.08,94.67 ; 27.08,94.47 27.08,91.85
PC01: length 69.2
  Top w0.203: 45.09,40.09 45.09,41.39 v3(44.91,41.57) ; 45.09,40.09 45.09,41.33 ; 45.09,40.09 45.09,39.72 U2.4 ; 27.08,90.88 v3(27.05,90.91)
  Top w0.254: P1.20 27.08,94.41 27.18,94.31 27.18,92.51 27.59,92.1 27.59,91.45 v3(27.05,90.91)
  In2.Cu w0.203: v3(44.91,41.57) 44.85,41.57 42.18,44.23 42.18,47.43 39.52,50.09 38.48,50.09 34.04,54.53 34.04,61.29 33.85,61.48 33.85,62.22 33.86,62.24 33.86,86.21 30.75,89.32 27.49,89.32 27.05,89.76 v3(27.05,90.91)
PC02: length 68.2
  Top w0.203: v3(44.66,42.52) 45.43,41.74 45.43,40.09 U2.5
  In2.Cu w0.203: v3(44.66,42.52) 43,44.17 43,47.07 39.62,50.46 38.62,50.46 34.95,54.13 34.95,56.11 36.2,57.35 36.2,58.93 35.16,59.97 35.16,80.28 34.95,80.48 ; 34.95,80.48 35.14,80.29 ; 34.95,80.48 34.95,86.85 31.5,90.31 28.64,90.31 28.27,90.68 28.27,91.44 v3(28.69,91.86)